# KiCad board mainboard.kicad_pcb (continued)
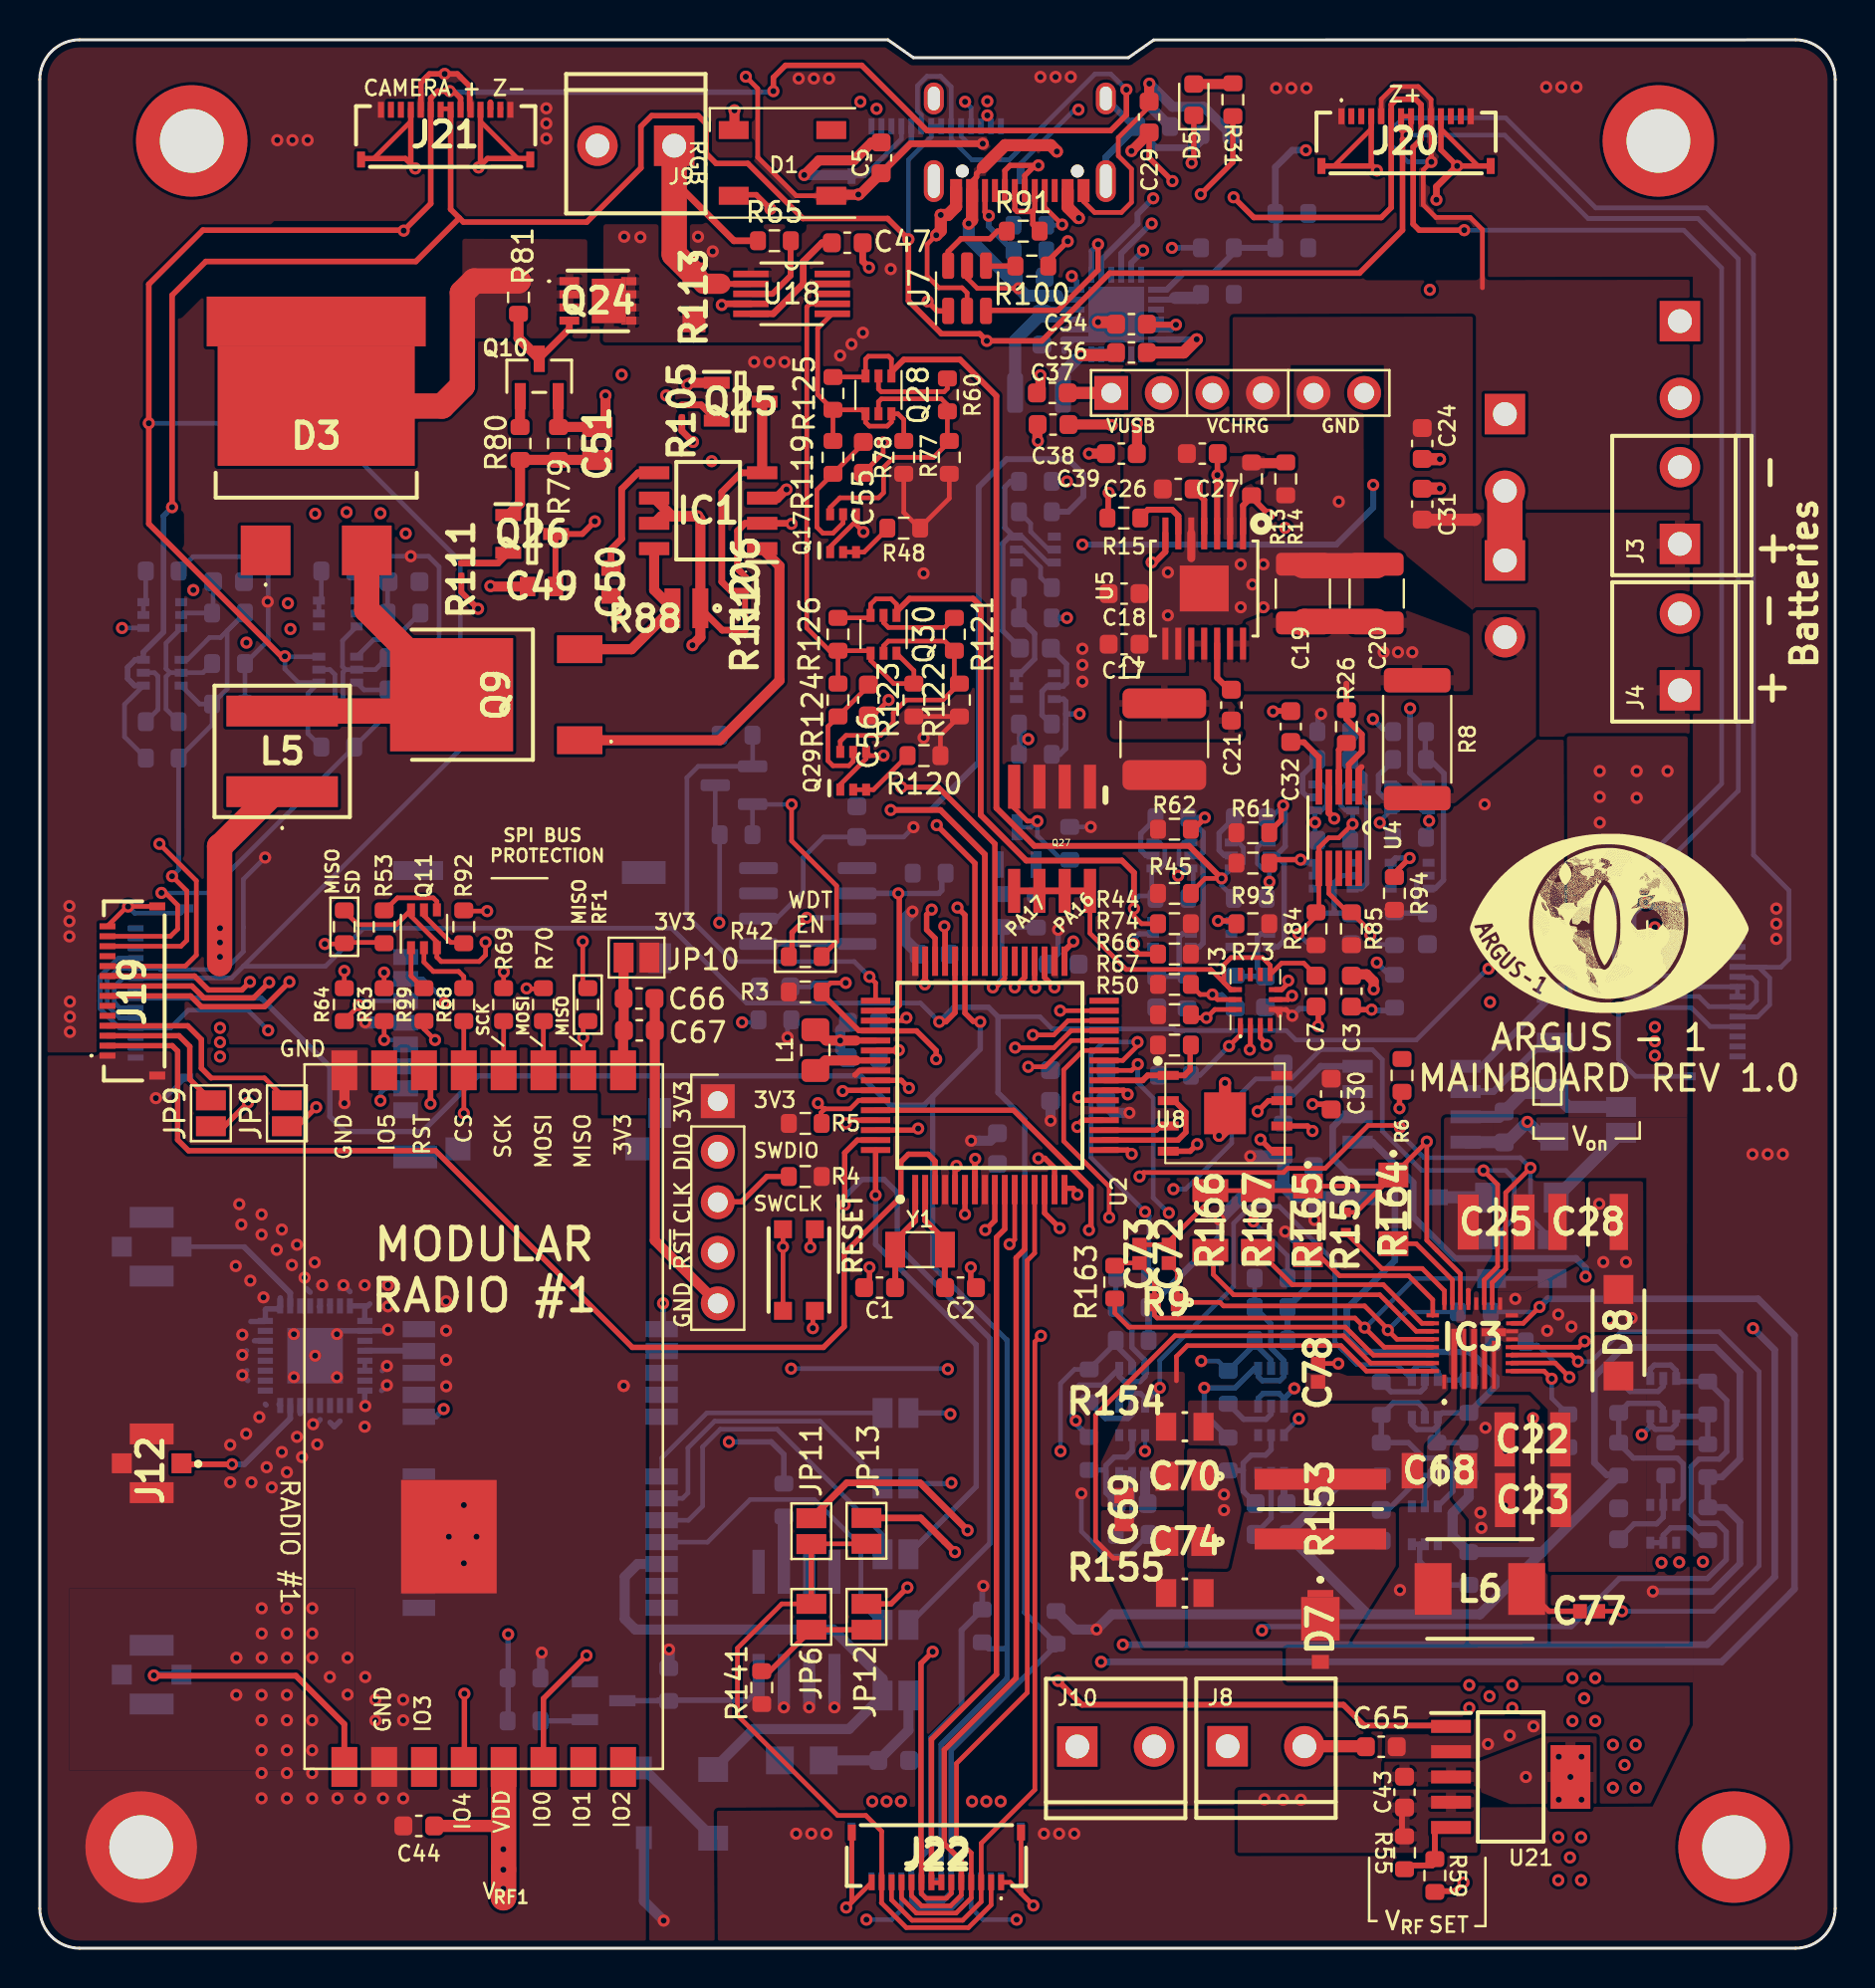
[diagram p0: board, top side]
## Nets (continued)
GNDREF: C24.2 C29.2 C31.2 C33.1 C34.2 C35.1 C37.1 C38.1 C39.1 C62.1 J3.2 J4.2 J13.A1 J13.A12 J14.6 J18.1 R35.1 R36.1 R39.1 R40.1 R46.1 R102.1 U7.2 U17.19 U17.20 U17.25
VBATT: C19.1 C20.1 C65.2 J5.2 J5.3 J5.12 J5.13 J6.2 J6.3 J6.12 J6.13 J10.1 J10.2 J14.2 J15.2 J15.3 J15.12 J15.13 J23.2 J23.3 J23.12 J23.13 L5.1 R1.1 R8.1 R26.1 R29.1 R30.1 R47.1 R49.1 U4.2 U5.13 U5.14 U21.2
VBATT_SENSE: J17.2 R8.2 U4.1
VBUS_IN: C29.1 C33.2 J13.A4 J13.A9 R34.1 U7.5 U17.23
VBUS_RESET: R52.2 U2.41
VCC_RF1: C43.2 C44.2 R55.1 U21.4 U23.5
/Avionics/BATTERY: C3.1 R1.2 R2.2 U2.15
/Avionics/XTAL1: C1.1 U2.1 Y1.1
/Avionics/XTAL2: C2.1 U2.2 Y1.2
/Connectors/DN: R100.2 U7.4
/Connectors/DP: R91.1 U7.6
/Power/REGN: C34.1 R31.2 U17.11
/RF and GPS/P9: C66.1 C67.2 JP10.2 U23.9
/RF and GPS/RF1_ANT: J11.1 U23.1
AIN5: J19.10 JP12.1 U2.14
AVL: C72.1 IC3.26 R9.1 R160.2
BAT_THERM: J22.2 J22.13 JP6.1 JP11.2 JP13.2
BST1: C78.1 IC3.1
BST2: C77.1 IC3.9
BURN_RELAY_A: J22.7 J22.8 U2.10
CSINN: C69.2 C70.2 IC3.30 R154.1
CSINP: C69.1 C74.2 IC3.29 R155.1
DAC0: J19.2 U2.3
DBus+: J13.A7 J13.B7 R91.2
DBus-: J13.A6 J13.B6 R100.1
DISQBAT: IC3.8 R162.1
ENAB_BURN1: J22.6 J22.9 U2.60
ENAB_BURN2: J22.5 J22.10 U2.12
ENAB_BURN3: J22.4 J22.11 U2.13
ENAB_BURN4: J22.3 J22.12 U2.27
ENAB_GPS: R21.1 R22.1 U2.62
ENAB_IMU: R114.1 R115.1 U2.39
ENAB_JET: R105.1 R111.1 U2.40
ENAB_RF: U2.9 U21.1
FLASH_CS: R50.1 U2.24 U8.1
FLASH_IO2: U2.19 U8.3
FLASH_IO3: U2.20 U8.7
FLASH_MISO: U2.18 U8.2
FLASH_MOSI: U2.17 U8.5
FLASH_SCK: U2.23 U8.6
GPS_PWR_IN: Q22.5 Q22.6 Q22.7 Q22.8 R24.2 U14.23
IMU_PWR_IN: C7.1 Q27.5 Q27.6 Q27.7 Q27.8 U3.8 U3.12
INLIM: IC3.21 R164.2
INOKB: IC3.17 R157.1 U2.11
ISET: IC3.23 R165.2
ITO: IC3.25 R166.2
JETSON_PWR: J9.1 R65.1 R113.1 U18.2
JETSON_PWR_SENSE: Q24.5 Q24.6 Q24.7 Q24.8 Q24.9 Q24.10 Q24.11 R113.2 U18.1
JETSON_RX: J19.7 U2.37
JETSON_TX: J19.9 U2.35
JETSON_XCK: J19.8 U2.36
L1_PROG: R6.1
LX1: C78.2 IC3.3 L6.2
LX2: C77.2 IC3.5 L6.1
MISO: Q11.3 Q11.6 R101.2 R104.2 U2.31
MISO_RF1: R99.2 R101.1 U23.10
MISO_SD: J1.7 R53.2 R104.1
MOSI: R64.2 R70.1 U2.29
MOSI_RF1: R70.2 U23.11
MOSI_SD: J1.3 R64.1
OTGEN: IC3.7 R161.1
PA15: U2.32
PVL: C73.1 IC3.27 R9.2 R157.2 R158.2 R163.2
RF1_CS: R5.2 R68.2 U2.59 U23.13
RF1_IO0: U2.6 U23.6
RF1_IO4: U2.5 U23.4
RF1_RST: U2.61 U23.14
RTC_INT: IC2.7
RX: JP3.1 JP9.1 U2.64
SCK: R63.2 R69.2 U2.30
SCK_RF1: R69.1 U23.12
SCK_SD: J1.5 R63.1
SCL: Q5.1 Q5.3 Q7.1 Q7.3 Q15.1 Q15.3 Q28.1 Q28.3 Q32.1 Q32.3 R45.2 R97.2 R108.2 R117.2 R125.2 R149.2 U2.26
SCL2: J5.6 J5.9 J6.6 J6.9 J15.6 J15.9 J20.6 J20.9 J21.6 J21.9 J23.6 J23.9 Q35.1 Q35.3 R56.2 R151.2 U2.44
SCL2_JETSON: J19.13 Q35.4 Q35.6 R142.2 R143.1 R151.1
SCL_GPS: JP2.1 Q32.4 Q32.6 R129.2 R130.1 R149.1
SCL_IMU: Q7.4 Q7.6 R66.2 R75.1 R97.1 U3.13
SCL_JETSON_PWR: Q28.4 Q28.6 R78.2 R119.1 R125.1 U18.6
SCL_PWR: Q15.4 Q15.6 R84.2 R95.1 R108.1 U4.6 U17.5
SCL_RTC: IC2.6 Q5.4 Q5.6 R32.2 R33.1 R117.1
SD_CS: J1.2 R51.1 R92.2 U2.51
SDA: Q8.1 Q8.3 Q16.1 Q16.3 Q20.1 Q20.3 Q30.1 Q30.3 Q34.1 Q34.3 R44.2 R98.2 R109.2 R118.2 R126.2 R150.2 U2.25
SDA2: J5.7 J5.8 J6.7 J6.8 J15.7 J15.8 J20.7 J20.8 J21.7 J21.8 J23.7 J23.8 Q37.1 Q37.3 R54.2 R152.2 U2.43
SDA2_JETSON: J19.12 Q37.4 Q37.6 R147.2 R148.1 R152.1
SDA_GPS: JP1.1 Q34.4 Q34.6 R134.2 R135.1 R150.1
SDA_IMU: Q8.4 Q8.6 R67.2 R76.1 R98.1 U3.14
SDA_JETSON_PWR: Q30.4 Q30.6 R123.2 R124.1 R126.1 U18.7
SDA_PWR: Q16.4 Q16.6 R85.2 R96.1 R109.1 U4.7 U17.4
SDA_RTC: IC2.5 Q20.4 Q20.6 R57.2 R58.1 R118.1
STAT: D5.1 U17.2
STAT1: IC3.16 R158.1 U2.28
STBY: IC3.28 R163.1
SWCLK: J2.3 R4.2 U2.57
SWDIO: J2.2 U2.58
THM: IC3.13 JP13.1 R160.1
TS: JP11.1 R34.2 R35.2 R46.2 U17.7
TX: JP4.1 JP8.1 U2.63
USB_CC1: J13.A5 R40.2
USB_CC2: J13.B5 R39.2
USB_D+: U2.46 U7.1 U17.24
USB_D-: U2.45 U7.3 U17.1
VCELL: C53.1 C54.2 IC2.3 JP7.1
VCHRG: C24.1 C28.2 C31.1 D8.2 IC3.11 IC3.12 IC3.31 J3.1 J4.1 J14.4
VSET: IC3.24 R167.2
VSOLAR: D7.2 J5.1 J5.14 J6.1 J6.14 J15.1 J15.14 J20.1 J20.14 J21.1 J21.14 J23.1 J23.14
VSYS: C22.2 C23.2 C25.2 D8.1 IC3.6 IC3.19 J16.1
WDT_EN: Q14.1 R90.1 U2.49
WDT_WDI: R7.2 U1.6 U2.50
~{RESET}: C4.2 J2.4 Q14.3 R3.2 R89.1 SW1.A SW1.A' U2.52
Net-(C59-+): C59.1 C60.2 JP5.1
Net-(D1-DIN): D1.4 U2.42
Net-(D3-A_2): D3.3 L5.2 Q9.2
Net-(D3-K_1): D3.2 D3.4 Q24.1 Q24.2 Q24.3 R81.1
Net-(D4-K): D4.1 R136.1
Net-(D5-A): D5.2 R31.1
Net-(D6-K): D6.1 R137.1
Net-(D7-K_1): D7.1 D7.3 R153.1 R155.2
Net-(IC1-CS): IC1.8 Q9.3 R88.2
Net-(IC1-EXT): IC1.1 Q9.1
Net-(IC1-REF): C50.2 IC1.5
Net-(IC1-SHDN): IC1.4 Q25.3 R106.2 R112.2
Net-(IC1-V+): C49.2 IC1.2 Q26.3 R106.1
Net-(IC2-OSCI): IC2.1 Y2.1
Net-(IC2-OSCO): IC2.2 Y2.2
Net-(IC2-VDD): C63.2 IC2.8 R103.1
Net-(IC3-CHGIN): C68.2 IC3.2 R153.2 R154.2
Net-(IC3-CNFG): IC3.22 R159.2
Net-(J7-SIGNAL): J7.1 U13.26
Net-(J12-SIGNAL): J12.1 U13.15
Net-(J13-SHIELD): C62.2 J13.S1 R102.2
Net-(J14-Pin_1): C37.2 C38.2 J14.1 U17.15 U17.16
Net-(J14-Pin_3): C39.2 J14.3 U17.13 U17.14
Net-(J16-Pad2): J16.2 J17.1
Net-(JP1-B): JP1.2 U14.18
Net-(JP2-B): JP2.2 U14.19
Net-(JP3-B): JP3.2 U14.20
Net-(JP4-B): JP4.2 U14.21
Net-(JP5-B): JP5.2 R137.2 U14.22
Net-(JP7-B): JP7.2 R136.2
Net-(JP8-B): J19.4 JP8.2
Net-(JP9-B): J19.3 JP9.2
Net-(JP12-B): JP6.2 JP12.2 R141.2
Net-(Q1-D): Q1.3 Q22.4 R23.2
Net-(Q1-G): Q1.1 R22.2
Net-(Q2A-B1): Q2.2 Q2.3 R30.2 R110.2
Net-(Q2B-B2): C6.2 Q2.5 R47.2
Net-(Q3A-B1): Q3.2 R110.1
Net-(Q3A-C1): C6.1 Q3.3 Q3.6 R49.2
Net-(Q3B-B2): Q3.5 R52.1
Net-(Q4A-D1): Q4.6 Q5.5 R27.2 R28.2
Net-(Q4A-G2): Q4.2 Q4.3 R25.2
Net-(Q4B-G1): C46.1 Q4.5 R33.2
Net-(Q5A-B1): Q5.2 R27.1
Net-(Q6A-G2): Q6.2 Q6.3 R37.2
Net-(Q6B-G1): C48.1 Q6.5 R58.2
Net-(Q7A-B1): Q7.2 R71.1
Net-(Q8A-B1): Q8.2 R72.1
Net-(Q10-D): Q10.3 Q24.4 R81.2
Net-(Q10-G): Q10.1 R80.2
Net-(Q11A-B1): Q11.2 R68.1
Net-(Q11A-E1): Q11.1 R99.1
Net-(Q11B-B2): Q11.5 R92.1
Net-(Q11B-E2): Q11.4 R53.1
Net-(Q12A-D1): Q7.5 Q12.6 R61.2 R71.2
Net-(Q12A-G2): Q12.2 Q12.3 R73.2
Net-(Q12B-G1): C8.1 Q12.5 R75.2
Net-(Q13A-D1): Q8.5 Q13.6 R62.2 R72.2
Net-(Q13A-G2): Q13.2 Q13.3 R74.2
Net-(Q13B-G1): C40.1 Q13.5 R76.2
Net-(Q14-S): Q14.2 R42.1 R89.2
Net-(Q15A-B1): Q15.2 R86.1
Net-(Q15B-B2): Q15.5 Q18.6 R82.2 R86.2
Net-(Q16A-B1): Q16.2 R87.1
Net-(Q16B-B2): Q16.5 Q19.6 R83.2 R87.2
Net-(Q17A-D1): Q17.6 Q28.5 R60.2 R77.2
Net-(Q17A-G2): Q17.2 Q17.3 R48.2
Net-(Q17B-G1): C55.1 Q17.5 R119.2
Net-(Q18A-G2): Q18.2 Q18.3 R93.2
Net-(Q18B-G1): C41.1 Q18.5 R95.2
Net-(Q19A-G2): Q19.2 Q19.3 R94.2
Net-(Q19B-G1): C42.1 Q19.5 R96.2
Net-(Q20A-B1): Q20.2 R38.1
Net-(Q20B-B2): Q6.6 Q20.5 R38.2 R43.2
Net-(Q21-D): Q21.3 Q27.4 R116.2
Net-(Q21-G): Q21.1 R115.2
Net-(Q23A-D1): Q23.6 Q35.5 R139.2 R140.2
Net-(Q23A-G2): Q23.2 Q23.3 R138.2
Net-(Q23B-G1): C61.1 Q23.5 R143.2
Net-(Q25-B): Q25.2 R105.2
Net-(Q26-B): Q26.2 R111.2
Net-(Q26-E): C51.2 Q26.1 R79.1 R80.1
Net-(Q28A-B1): Q28.2 R60.1
Net-(Q29A-D1): Q29.6 Q30.5 R121.2 R122.2
Net-(Q29A-G2): Q29.2 Q29.3 R120.2
Net-(Q29B-G1): C56.1 Q29.5 R124.2
Net-(Q30A-B1): Q30.2 R121.1
Net-(Q31A-D1): Q31.6 Q32.5 R127.2 R128.2
Net-(Q31A-G2): Q31.2 Q31.3 R107.2
Net-(Q31B-G1): C57.1 Q31.5 R130.2
Net-(Q32A-B1): Q32.2 R127.1
Net-(Q33A-D1): Q33.6 Q34.5 R132.2 R133.2
Net-(Q33A-G2): Q33.2 Q33.3 R131.2
Net-(Q33B-G1): C58.1 Q33.5 R135.2
Net-(Q34A-B1): Q34.2 R132.1
Net-(Q35A-B1): Q35.2 R139.1
Net-(Q36A-D1): Q36.6 Q37.5 R145.2 R146.2
Net-(Q36A-G2): Q36.2 Q36.3 R144.2
Net-(Q36B-G1): C64.1 Q36.5 R148.2
Net-(Q37A-B1): Q37.2 R145.1
Net-(U1-~{MR}): U1.1 U1.8
Net-(U1-~{RESET}): R42.2 U1.7
Net-(U2-PA07): R6.2 U2.16
Net-(U2-VDDCORE): C12.2 C14.1 L1.1 U2.53
Net-(U2-VSW): L1.2 U2.55
Net-(U3-SDO): R41.1 U3.1
Net-(U4-ON): R26.2 U4.3
Net-(U4-TIMER): C32.2 U4.5
Net-(U5-PG): R15.1 U5.6
Net-(U5-SS): C26.1 U5.4
Net-(U5-SW1): C21.1 L2.1 U5.10 U5.11
Net-(U5-VBST): C21.2 U5.12
Net-(U5-VFB): R13.1 R14.2 U5.2
Net-(U5-VREG5): C27.1 R15.2 U5.3
Net-(U13-SUM_PORT): U13.4 U14.11
Net-(U14-RSTN): R24.1 U14.8
Net-(U17-BTST): C36.2 U17.12
Net-(U17-ILIM): R36.2 U17.8
Net-(U17-PMID_1): C35.2 L4.1 U17.21 U17.22
Net-(U17-SW_1): C36.1 L4.2 U17.17 U17.18
Net-(U18-ON): R65.2 U18.3
Net-(U18-TIMER): C47.2 U18.5
Net-(U21-SENSE/ADJ): R55.2 R59.1 U21.5

Pads without a net: D1 2; D3 1; J1 1 8 DT SW; J13 A8 B8; J19 5 6 11; J20 2 3 12 13; J21 2 3 12 13; U1 5; U2 38; U3 4 9 10 11; U4 8 9 10; U14 1 2 3 4 5 6 7 9 14 15 16 17; U17 3 6 9 10; U18 8 10; U23 3 7 8 15

## Via types
v1: diameter 0.61, hole 0.305, Top to Bottom, 554 vias

## Routing (per net, layer and track width the routed paths; a pad name or vN(x,y) marks a point on that pad's centre or on a via; arc(x,y) is an arc through that point)
3.3V: length 424
  Top w0.235: 72.45,83.43 72.45,86.35 71.84,86.96 70.12,86.96 69.48,87.6 69.48,89.34 v1(69.89,89.75) 69.89,90.07 69.87,90.09 J20.10 69.87,92.89 69.23,93.54 68.01,93.54 67.37,92.9 J20.5 ; R123.1 R122.1 45.23,60.94 R120.1 ; D1.1 37.99,88.05 36.06,89.98 36.06,93.43 v1(35.46,94.03) ; R13.2 60.86,72.9 ; 41.1,88.13 41.1,88.1 ; 45.68,74.12 45.68,72.85 44.18,71.35 43.39,72.14 43.39,74.12
  Top w0.25: v1(62.9,46.85) 62.59,47.16 62.09,47.16
  Top w0.272: U3.5 62.26,46.96 62.26,46.87 ; 40.93,43.88 40.95,43.88 41.17,44.1 42.04,44.1 ; 67.67,52.21 68.03,52.21
  Top w0.279: 19.14,92.35 19.14,93.74 19.57,94.17 v1(20.33,94.17) 20.97,94.17 21.59,93.54 21.59,92.37 ; 41.1,88.1 v1(41.11,88.11)
  Top w0.293: 60.86,72.9 v1(61.73,72.02)
  Top w0.305: U5.1 60.43,72.48 60.99,73.04
  Top w0.338: v1(47.36,90.67) 43.74,90.67 C5.1
  Top w0.508: C5.1 41.19,88.11 v1(41.11,88.11) ; 39.75,88.1 41.1,88.1
  Route15 w0.272: v1(64.35,62.01) 66.7,62.01 v1(66.95,61.76) 66.95,60.53 68.01,59.47 71.56,59.47 72.56,58.47 v1(72.56,57.47)
  Route15 w0.293: v1(35.46,94.03) 35.29,94.2 20.51,94.2 20.33,94.02
  Route15 w0.338: v1(64.02,36.59) 63.44,36 v1(62.55,36)
  Route15 w0.381: v1(43.88,56.32) 44.41,56.86 44.41,60.8 v1(44.39,60.82) v1(44.39,69.07)
  Route15 w0.61: 61.35,72.02 61.89,72.02 v1(62.55,71.36) ; 61.35,72.02 v1(61.73,72.02) ; 61.35,72.02 55.77,72.02 53.94,70.19 53.94,66.87 v1(52.36,65.29) v1(52.36,64.48) v1(52.36,63.64) ; v1(39.91,12.1) 44.77,12.1 47.38,14.72 v1(47.38,18.2) ; v1(41.34,81.17) 39.87,79.69 v1(37.4,79.69) 37.4,79.7 v1(35.88,79.7) ; v1(41.11,88.11) 42.71,86.51 42.71,84.39 v1(42.74,84.37)
  Bottom w0.235: 86.33,49.29 86.71,49.29 86.71,49.29 87.44,49.29 87.85,49.7 87.85,53.15 86.07,54.93 86.07,85.08 83.71,87.44 78.14,87.44 73.62,91.96 68.47,91.96 67.88,91.38 67.88,90.59 68.72,89.75 v1(69.89,89.75) ; 86.33,49.29 85.28,49.29 ; 86.33,49.29 86.88,48.74 86.88,47.4 86.27,46.79 85.28,46.79 ; R144.1 7.7,69.91 10.55,69.91 11.47,69 11.47,67.68 v1(11.44,67.65) 11.47,67.63 11.47,65.71 R146.1 R147.1 ; v1(37.55,45.76) 37.55,46.49 37.71,46.65 ; J23.10 46.27,2.48 45.81,2.02 44.13,2.02 43.77,2.38 J23.5 ; R116.1 v1(52.78,56.34) ; R142.1 R140.1 20.05,65.79 20.05,69.41 19.52,69.94 v1(18.63,69.94) 16.54,69.94 R138.1 ; v1(43.88,56.32) 43.38,55.83 C45.1 39.37,55.83 38.34,54.8 38.34,53.07 37,51.73 U1.2 ; v1(47.36,90.67) 46.65,90.67 46.27,91.04 J15.5 ; v1(52.31,22.85) 52.31,20.94 53.56,19.7 54.6,19.7 R107.1 ; 62.45,38.32 62.5,38.27 ; J5.10 4,46.74 3.38,47.36 3.38,48.67 3.96,49.24 J5.5 5.99,49.24 6.06,49.17 9.32,49.17 10.22,50.08 10.22,53.71 v1(11.32,54.8) ; 62.44,39.79 R103.2
  Bottom w0.272: v1(64.35,62.01) 64.2,61.86 64.2,61.06 ; 50.61,49.44 51.14,49.97 v1(51.14,51.17) ; v1(66.95,61.76) 67.46,61.25 68.01,61.25
  Bottom w0.279: J15.10 43.77,90.77 v1(41.11,88.11) ; v1(62.9,46.85) 63.26,47.21 64.22,47.21
  Bottom w0.293: v1(47.38,18.2) 47.33,18.15 R54.1 46.29,15.98 46.29,12.1 44.77,10.58 44.77,5.1 43.77,4.11 J23.5
  Bottom w0.338: v1(62.55,36) 63.69,34.86 63.69,33.22 R134.1 R133.1 ; v1(81.01,17.92) 83.99,17.92 85.38,19.32 85.38,21.4 84.63,22.15 R37.1 R57.1 84.48,23.67 85.38,24.57 85.38,28.94 84.14,30.19 79.54,30.19 78.08,28.73 78.08,24.39 78.69,23.79 79.3,23.79 ; R128.1 R129.1 59.25,35.75 v1(59.25,36.61)
  Bottom w0.508: v1(50.77,41.58) 50.76,41.58 50.76,42.56 ; 66.68,16.78 R131.1 65.62,23.75 R28.1 ; 66.68,16.78 53.84,16.78 v1(53.07,16.01) 51.97,16.01 R56.1 ; 66.68,16.78 72.33,16.78 75.45,19.9 ; v1(54.72,41.97) 53.91,41.97 53.49,42.39 ; v1(31.33,1.39) 30.34,2.38 D6.2 ; 75.45,19.9 R43.1 ; 75.45,19.9 R25.1 70.95,20.71 70.95,21.86 71.77,22.67 R32.1 ; C52.2 63.97,36.64 v1(64.02,36.59) ; v1(46.78,40.57) 47.74,40.57 48.09,40.93
  Bottom w0.61: v1(60.79,39.79) 62.44,39.79 ; J1.4 16.36,46.5 v1(16.34,46.52) ; 44.16,49.95 43.42,50.69 43.42,51.68 v1(43.83,52.08) ; 37.37,13.7 v1(37.37,12.1) ; v1(59.25,36.61) 60.9,38.27 62.5,38.27 63.03,37.73 D4.2 ; R103.2 62.45,38.32 ; 31.58,14.03 31.58,14.99 v1(31.6,15.01) ; 38.64,13.7 v1(38.64,12.1) ; 39.91,13.7 v1(39.91,12.1)
  vias: v1(36.64,79.69) v1(40.2,80.02) v1(40.77,80.59)
/Power/3V3_EN: length 16.7
  Top w0.279: 56,69.63 v1(55.84,69.63)
  Top w0.305: U5.7 56.53,70.16 56,69.63
  Route15 w0.272: v1(55.84,69.63) 55.84,63.54 54.32,62.01 v1(52.22,62.01)
  Bottom w0.272: Q2.6 51.41,62.76 51.52,62.65 51.52,62.01 ; 51.52,62.01 v1(52.22,62.01) ; 51.52,62.01 51.52,60.28 51.22,59.98 50.79,59.98
GND: length 293.4
  Top w0.235: v1(77.58,30.49) 77.29,30.2 IC3.10 ; SW1.B' 38.82,31.92 v1(38.82,31.15) ; R159.1 66.11,36.97 R164.1 ; J22.MP1 49.28,2.76 v1(49.9,2.15) 48.74,3.31 J22.1 ; 24.63,89.92 24,89.92 22.13,91.78 22.13,92.42 ; v1(38.7,35.22) 38.7,35.9 SW1.B ; C55.2 41.36,74.13 42.35,75.12 v1(42.35,75.65) ; v1(42.63,62.71) 41.85,61.94 C56.2 ; 17.23,9.06 17.31,9.14 17.31,9.79 17.31,9.13 U23.2 ; 16.13,89.92 16.77,89.92 18.63,91.78 18.63,92.42 ; J20.MP2 72.24,89.55 70.37,91.41 J20.11 ; Q29.1 40.2,58.47 41.5,59.77 Q29.4 41.69,59.92 v1(42.37,59.92) ; 44.46,48.44 v1(44.45,48.43) ; J22.14 40.52,2.04 v1(40.5,2.04) 40.78,2.33 J22.MP2 ; C73.2 C72.2 56.71,35.51 58.79,37.59 R166.1 R167.1 63.47,38.06 R165.1 67.42,38.29 R164.1 ; IC3.20 71.34,33.89 69.66,35.57 v1(69.66,40.53) 67.98,38.85 R164.1 ; v1(41.36,71.16) 40.99,71.53 Q17.4 40.99,71.71 39.69,70.41 Q17.1 ; J19.14 3.4,51.35 4.39,52.34 4.42,52.34 v1(4.43,52.34) 4.44,52.34 J19.MP2 ; J20.4 66.87,91.41 65.01,89.55 J20.MP1 ; 66.57,10.15 C65.1
  Top w0.25: v1(60.77,45.15) 60.8,45.18 60.8,46.38 ; 61.3,46.38 61.3,45.75 61.61,45.44 v1(61.61,45.38) ; U3.7 62.37,48.16 62.7,48.49 v1(62.7,48.62) ; v1(62.89,47.85) 62.7,47.66 U3.6
  Top w0.272: v1(41.67,34.21) 41.67,33.47 41.39,33.19 ; v1(46.76,34.21) 46.76,33.46 47.03,33.19 ; J20.4 66.87,89.6 v1(67.15,89.32) 66.93,89.55 J20.MP1 ; 16.13,89.92 18.36,89.92 v1(18.86,89.42) 18.63,89.65 18.63,92.42 ; 24.63,89.92 22.48,89.92 v1(22.03,89.47) 22.13,89.57 22.13,92.42 ; J20.11 70.37,90.36 v1(71.18,89.55) J20.MP2 ; 53.38,42.6 52.32,42.6 v1(52.16,42.76)
  Top w0.279: v1(64.2,46.33) 64.21,46.34 64.21,47.3 ; 64.86,42.13 64.58,42.41 v1(63.92,42.41) ; 56.66,40.04 57.77,40.04 v1(58.13,40.4) ; 20.41,28.24 v1(20.41,28.23)
  Top w0.293: 62.83,62.17 61.96,62.17 v1(61.94,62.14) ; 70.06,2.86 71.07,2.86 v1(71.5,3.3)
  Top w0.3: 42.04,45.1 43.12,45.1 v1(43.14,45.12) ; 46.96,38.18 46.96,39.65 v1(46.98,39.66) ; v1(51.9,50.58) 51.9,50.56 51.46,50.12 51.46,49.52 ; U2.47 44.46,48.44
  Top w0.33: 64.89,56.89 64.74,57.04 64.74,58.34
  Top w0.338: v1(71.18,89.55) 70.14,88.5 v1(70.14,87.85) ; C47.1 41.33,84.76 v1(41.64,84.44) ; R112.1 34.27,66.22 R88.1 ; v1(34.25,82.56) 34.31,82.62 U18.4
  Top w0.406: 57.83,69.84 U5.5
  Top w0.508: v1(33.03,71.95) 33.17,71.8 R88.1 33.17,65.86 v1(32.78,65.47) ; v1(33.03,71.95) 31.77,71.95 IC1.6 ; v1(33.03,71.95) 31.21,71.95 IC1.7 ; IC1.3 37.02,72.86 37.45,73.29 v1(37.5,73.29) ; 65.8,48.93 66.64,48.93 66.99,48.58 v1(66.99,48.17) ; J2.5 30.89,35.56 C67.1 30.89,47.7 C66.2 ; v1(32.52,78.55) 32.63,78.65 Q25.1 ; 15.29,43.83 15.3,43.82 v1(15.3,42.46) ; C5.2 41.78,90.73 40.88,89.83 39.13,89.83 v1(38.39,89.09) ; v1(28.41,78.02) 28.41,76.84 C51.1 26.05,76.43 R79.2 26.03,76.44 Q10.2 ; C50.1 28.97,67.66 v1(28.97,66.81) ; C49.1 22.66,68.41 v1(22.63,68.44) ; v1(34.89,92.34) 34.89,91.26
  Top w0.61: 29.31,28.25 v1(29.32,28.26) ; v1(59.22,40.82) 59.52,41.12 U8.9 v1(59.52,43.47) ; J8.2 66.57,10.15
  Top w1.27: 67.14,69.46 63.43,69.46
  Route15 w0.235: v1(72.83,47.54) 79.01,47.54 v1(79.29,47.26)
  Route15 w0.272: v1(70.14,87.85) 69.84,87.54 69.84,83.35 v1(69.81,83.32)
  Bottom w0.235: J5.4 3.94,49.74 3.02,48.82 3.02,47.21 3.99,46.24 J5.11 6.57,46.24 7.46,47.13 10.45,47.13 v1(11.47,46.11) ; v1(4.13,66.33) Q36.1 ; v1(46.47,92.77) 46.77,92.47 J15.4 ; U13.5 U13.6 ; v1(4.43,52.34) 4.77,52 7.07,52 J5.MP1 ; J23.11 46.77,2.02 47.36,1.44 v1(49.06,1.44) ; J23.4 43.27,1.92 42.79,1.44 v1(41.52,1.44) ; J23.MP1 40.77,2.32 v1(40.5,2.04) ; v1(49.9,2.15) 49.27,2.77 J23.MP2 ; v1(52.16,92.37) 51.97,92.37 49.27,89.68 J15.MP1 ; J5.MP2 6.28,42.71 v1(5.83,42.71) ; J6.MP1 80.14,43.81 79.29,44.67 v1(79.29,47.26) 82.94,47.26 83.89,46.31 J6.4 ; J6.MP2 82.74,52.29 80.91,52.29 v1(80.66,52.54) 80.07,51.96 80.07,49.22 80.43,48.86 82.61,48.86 83.56,49.81 J6.11 ; J15.11 43.27,90.91 41.41,89.04 J15.MP2
  Bottom w0.272: U13.25 11.93,32.12 11.36,32.12 11.33,32.08 U13.24 ; U13.25 12.08,32.68 ; U13.25 12.09,32.25 ; U13.8 16.32,28.01 16.32,27.17 16.21,27.27 ; 16.57,32.38 16.46,32.27 16.32,32.27 ; 14.58,26.42 14.79,26.2 15.08,26.49 ; 17.2,29.02 v1(17.43,29.25) ; U13.30 14.54,32.31 ; 14.08,26.55 13.73,26.2 13.58,26.35 ; U13.29 14.03,32.22 ; 13.58,32.96 13.39,33.14 ; U13.14 13.08,26.85 ; 16.32,32.27 U13.32 15.59,32.26 ; 16.32,32.27 16.32,31.53 U13.1 ; 11.33,27.33 11.36,27.3 ; U13.16 12.01,27.33 ; 15.08,31.02 U13.2 17.42,31.02 v1(17.48,31.08) ; 14.08,33.22 13.98,33.31 ; 15.08,33.14 v1(15.25,33.31) 15.58,32.99 ; 17.17,28.02 v1(17.43,28.29) ; 10.38,30.02 v1(10.17,29.81) ; U13.22 10.78,30.52 ; 10.44,28.52 v1(10.17,28.79) 10.4,29.02 ; U13.23 11.19,31.02 ; 11.29,31.49 10.6,31.49
  Bottom w0.279: U14.13 31.3,31.17 v1(31.3,32.4)
  Bottom w0.338: Q33.4 61.17,25.78 ; C58.2 62.49,22.46 Q33.1 62.52,23.91
  Bottom w0.406: 25.17,13.58 25.17,14.81 v1(25.21,14.85)
  Bottom w0.508: C57.2 55.51,22.46 Q31.1 ; J15.MP2 40.72,89.09 v1(38.39,89.09)
  Bottom w0.61: C53.2 75.45,40.78 v1(74.71,41.52) 73.69,40.49 C54.1 73.53,40.5 IC2.4
  vias: v1(7.71,68.24) v1(9.56,25.29) v1(9.56,23.41) v1(9.84,34.27) v1(9.87,14.59) v1(9.87,12.72) v1(10.02,37.38) v1(10.12,36.36) v1(10.17,30.83) v1(10.38,65.6) v1(10.36,25.84) v1(10.57,33.54) v1(10.63,23.41) v1(11.02,26.69) v1(11.14,36.87) v1(11.14,35.85) v1(11.14,17.08) v1(11.14,15.81) v1(11.14,14.59) v1(11.14,12.72) v1(11.14,11.45) v1(11.14,9.94) v1(11.14,8.8) v1(11.14,7.53) v1(11.23,32.7) v1(11.39,24.17) v1(11.65,23.15) v1(11.9,35.09) v1(12.15,36.11) v1(12.15,24.93) v1(12.41,23.91) v1(12.41,17.08) v1(12.41,15.81) v1(12.41,14.59) v1(12.41,12.72) v1(12.41,11.45) v1(12.41,9.94) v1(12.41,8.8) v1(12.41,7.53) v1(12.46,67.58) v1(12.59,66.28) v1(12.66,34.33) v1(12.76,30.85) v1(12.76,28.69) v1(12.92,35.34) v1(12.92,25.69) v1(13.17,24.68) v1(13.3,33.69) v1(13.68,17.08) v1(13.68,15.81) v1(13.68,14.59) v1(13.68,11.45) v1(13.68,9.94) v1(13.68,8.8) v1(13.68,7.53) v1(13.8,34.46) v1(13.73,26.33) v1(13.83,72.07) v1(13.83,29.77) v1(13.93,25.31) v1(14.19,33.31) v1(14.57,13.63) v1(14.92,30.85) v1(14.92,28.69) v1(14.95,7.53) v1(15.41,72.15) v1(15.46,14.59) v1(15.46,12.74) v1(16.09,7.53) v1(16.32,33.31) v1(16.34,27.24) v1(16.32,26.2) v1(16.34,13.63) v1(16.85,12.48) v1(16.85,11.44) v1(17.11,72.1) v1(17.23,7.53) v1(17.48,33.31) v1(17.48,32.25) v1(18.25,12.48) v1(18.25,11.45) v1(18.25,7.53) v1(18.38,71.08) v1(20.41,32.5) v1(20.41,31.03) v1(20.41,29.56) v1(20.54,20.68) v1(21.3,22.26) v1(21.3,19.34) v1(21.93,20.68) v1(29.22,79.06) v1(31.46,78.02) v1(33.74,74.71) v1(56.65,69.13) v1(56.65,66.97) v1(59.47,22.8) v1(59.47,22.01) v1(60.31,69.53) v1(60.31,67.37) v1(60.9,68.52) v1(61.46,69.53) v1(61.46,67.37) v1(65.01,56.76) v1(65.24,72.68) v1(71.79,13.22) v1(71.79,12.07) v1(72.35,21.88) v1(72.4,21.12) v1(72.61,26.15) v1(72.81,12.66) v1(73.6,22.24) v1(73.62,24.98) v1(73.95,13.22) v1(73.95,12.07) v1(74.1,32.63) v1(74.64,8.6) v1(74.99,26.63) v1(76.29,9.62) v1(76.29,7.46) v1(76.26,5.58) v1(76.26,3.42) v1(76.87,8.6) v1(76.85,4.56) v1(76.97,13.58) v1(76.97,11.42) v1(77.41,5.58) v1(77.41,3.42) v1(77.43,9.62) v1(77.43,7.46) v1(77.56,12.56) v1(78.12,13.58) v1(78.12,11.42) v1(79.01,10.22) v1(79.01,8.06) v1(79.59,9.21) v1(80.15,10.22) v1(80.15,8.06) v1(81.45,19.37) v1(82.33,19.39) v1(83.53,19.42)
GNDREF: length 36.9
  Top w0.235: v1(45.02,86.07) 44.56,85.61 44.56,84.01 45.15,83.43 46.32,83.43 46.57,83.17 U7.2 ; J13.A1 52.42,87.76 52.97,87.21 54.32,87.21 54.83,87.72 54.83,89.39 54.17,90.06 54.17,90.97 55.71,92.52 C29.2
  Top w0.508: v1(55.73,93.68) 55.71,93.67 55.71,92.75 ; 50.1,76.56 50.1,75.76 v1(50.13,75.73) ; 50.06,78.14 50.25,78.33 v1(50.25,79.03) ; 53.53,75.1 v1(52.69,75.1)
  Top w0.61: 69.43,73.34 v1(70.32,73.34) ; 46.02,88.43 46.02,87.5 45.61,87.08 v1(45.25,87.08) 45.25,86.3 v1(45.02,86.07) ; 69.43,74.82 v1(70.32,74.82) ; 54.04,81.7 v1(53.15,81.7)
  Bottom w0.272: 51.45,80.23 51.45,80.35 51.92,80.83 U17.19
  Bottom w0.279: 50.48,83.96 50.48,85.26 50.51,85.28
  Bottom w0.3: 51.4,80.84 52.78,80.84 ; 51.4,81.33 52.78,81.33
  Bottom w0.508: R102.1 55.73,92.57 v1(55.73,93.68) 56.89,92.52 58.45,92.52 C62.1
VBATT: length 191
  Top w0.272: 67.15,49.57 v1(67.15,49.52)
  Top w0.293: 65.74,58.47 65.74,59.47 66.39,60.12 66.39,60.99 65.62,61.76 65.62,63.54
  Top w1.27: 9.03,49.47 9.03,55.37 9.06,55.37 11.81,58.11 L5.1 ; C19.1 63.51,66.66 67.14,66.66
  Route15 w0.305: v1(51.59,73.7) 52.36,72.92 v1(52.36,70.52) 52.36,67.6 51.6,66.84 v1(51.59,66.84) 49.64,64.89 v1(49.64,60.75)
  Route15 w0.508: v1(67.15,49.52) 67.15,49.5 67.17,49.48 ; J14.2 56.35,79.41
  Route15 w0.61: J14.2 56.35,77
  Route15 w1.016: J14.2 56.35,78.21
  Route15 w1.27: 67.53,82.59 62.29,82.59 61.65,83.23 61.65,89.48 58.64,92.49 55.39,92.49 54.17,91.27 52.67,91.27 ; v1(9.05,50.53) 9.05,83.95 13.22,88.13 33.44,88.13 38.01,92.7 41.8,92.7 43.52,90.97 46.11,90.97 ; v1(9.05,44.8) v1(9.05,51.25) ; v1(81.11,51.29) 81.11,37.89
  Route15 w1.905: 52.18,10.2 49.4,7.43 41.86,7.43 v1(41.81,7.38) ; J10.2 J10.1
  Bottom w0.272: 49.21,59.98 49.21,61.51 ; 68.03,48.87 67.8,48.87 v1(67.15,49.52)
  Bottom w0.305: 50.79,66.84 v1(51.59,66.84) ; v1(66.97,73.52) 66.97,72.38 65.11,70.52 v1(52.36,70.52) ; 49.21,60.78 49.61,60.78 v1(49.64,60.75) ; 50.79,73.7 v1(51.59,73.7)
  vias: v1(9.05,49.81) v1(9.05,46.24) v1(9.05,45.52) v1(41.21,92.77) v1(42.02,92.42) v1(42.53,7.38) v1(43.25,7.38) v1(46.82,7.38) v1(47.59,92.8) v1(47.59,92.09) v1(47.54,7.38) v1(48.26,7.38) v1(67.49,65.11) v1(68.21,65.11) v1(68.93,65.11) v1(72.73,10.26) v1(73.83,10.68) v1(75.02,11.14) v1(81.11,50.57) v1(81.11,49.85) v1(81.11,46.28) v1(81.11,45.56) v1(81.11,44.84)
VBATT_SENSE: length 0.9
  Top w0.293: 66.24,58.47 66.24,59.2 66.38,59.35
VBUS_IN: length 36.8
  Top w0.235: U7.5 46.57,83.91 47.08,83.4 v1(49.16,83.4)
  Top w0.272: J13.A9 46.82,88.77 47.05,88.99 47.05,89.16 47.36,89.47
  Top w0.279: v1(56.88,88.79) 55.71,89.95 55.71,91.22
  Top w0.508: 55.71,91.18 54.83,90.3 v1(54.83,90.3)
  Top w0.61: v1(46.65,86.65) 46.82,86.83 J13.A9 ; 47.36,89.47 48.48,90.59 50.76,90.59 v1(51.08,90.27) ; J13.A4 51.62,87.47 52.16,86.93 v1(52.18,86.93)
  Route15 w0.279: v1(56.86,85.43) 56.88,85.46 v1(56.88,88.79)
  Route15 w0.508: v1(51.08,90.27) 51.1,90.3 v1(54.83,90.3)
  Route15 w0.61: v1(51.08,90.27) 51.08,88.95 52.18,87.85 v1(52.18,86.93)
  Bottom w0.279: 58.38,85.43 v1(56.86,85.43) ; 51.02,83.02 51.21,82.83 U17.23
  Bottom w0.61: 51.09,83.02 51.09,83.03 49.54,83.03 v1(49.16,83.4) 49.14,83.4 48.91,83.63 48.91,83.96 48.63,83.96 46.65,85.94 v1(46.65,86.65)
VBUS_RESET: length 39.4
  Top w0.293: U2.41 47.46,54.95 45.23,57.19 v1(42.74,57.19)
  Bottom w0.293: v1(42.74,57.19) 44.74,57.19 47.16,59.6 47.16,73.42 48.55,74.82 51.65,74.82 52.41,74.05 52.41,72.94 51.65,72.17 R52.2
VCC_RF1: length 56.3
  Top w0.235: 23.3,6.08 23.24,6.14
  Top w0.293: 68.41,5.58 68.41,7.06
  Top w0.61: 19.82,6.14 23.24,6.14
  Top w1.27: U23.5 23.29,2.54 23.28,2.53
  Route15 w0.235: v1(23.28,3.94) 23.28,4.06
  Route15 w1.905: v1(23.28,2.98) 24.14,3.85 24.37,3.85 ; 24.37,3.85 57.32,3.85 60.93,7.46 v1(62.44,7.46) v1(63.33,7.46) ; 24.37,3.85 23.38,3.85 v1(23.28,3.94) ; 24.37,3.85 24.37,3.88 v1(23.28,4.97)
  vias: v1(61.51,7.48)
/Avionics/BATTERY: length 26.9
  Top w0.272: v1(50.15,39.69) 50.48,39.69 50.96,39.2 50.96,38.18
  Top w0.279: 65.99,47.3 66.13,47.16 v1(66.89,47.16)
  Route15 w0.272: v1(50.15,39.69) 50.11,39.73 50.11,41.85 52,43.74 57.54,43.74 58.08,44.28 64.98,44.28 66.87,46.17 66.87,47.14 v1(66.89,47.16)
  Bottom w0.279: 65.99,47.3 66.13,47.16 v1(66.89,47.16) 66.93,47.11 67.87,47.11 68.03,47.28
/Avionics/XTAL1: length 5.3
  Top w0.3: 42.96,33.19 42.96,35.09 Y1.1 42.96,35.54 43.96,36.55 U2.1
/Avionics/XTAL2: length 5.3
  Top w0.3: 45.45,33.19 45.45,35.09 Y1.2 45.46,35.57 44.46,36.56 U2.2
/Connectors/DN: length 1.5
  Top w0.272: R100.2 47.54,84.52 U7.4
/Connectors/DP: length 4.1
  Top w0.272: R91.1 48.09,86.27 47.71,85.89 46.27,85.89 45.62,85.24 45.62,84.54
/Power/REGN: length 14
  Top w0.272: v1(58.31,88.13) 59.92,89.74 59.92,92.09
  Top w0.3: v1(57.06,81.57) 55.84,81.57
  Route15 w0.272: v1(58.31,88.13) 57.62,87.44 57.62,82.13 v1(57.06,81.57)
  Bottom w0.3: U17.11 56.82,81.33 v1(57.06,81.57)
/RF and GPS/P9: length 5.7
  Top w0.508: U23.9 29.29,46.07 C67.2 29.32,46.13 C66.1 29.32,47.72 JP10.2
/RF and GPS/RF1_ANT: length 14.1
  Top w0.293: U23.1 15.29,11.26 12.86,13.69 5.74,13.69 v1(5.73,13.7)
  Bottom w0.338: J11.1 5.77,13.74 v1(5.73,13.7)
AIN5: length 93.9
  Top w0.235: J19.10 7.31,49.34 7.86,49.9 7.86,53.63 v1(6.01,55.49)